# KiCad board cowboys_vs_dinos.kicad_pcb
title: Cowboys_vs_Dinos; date: 2024-05-06; rev: 2; company: Crafted by @alt_bier a.k.a. Richard Gowen and his Badge Team
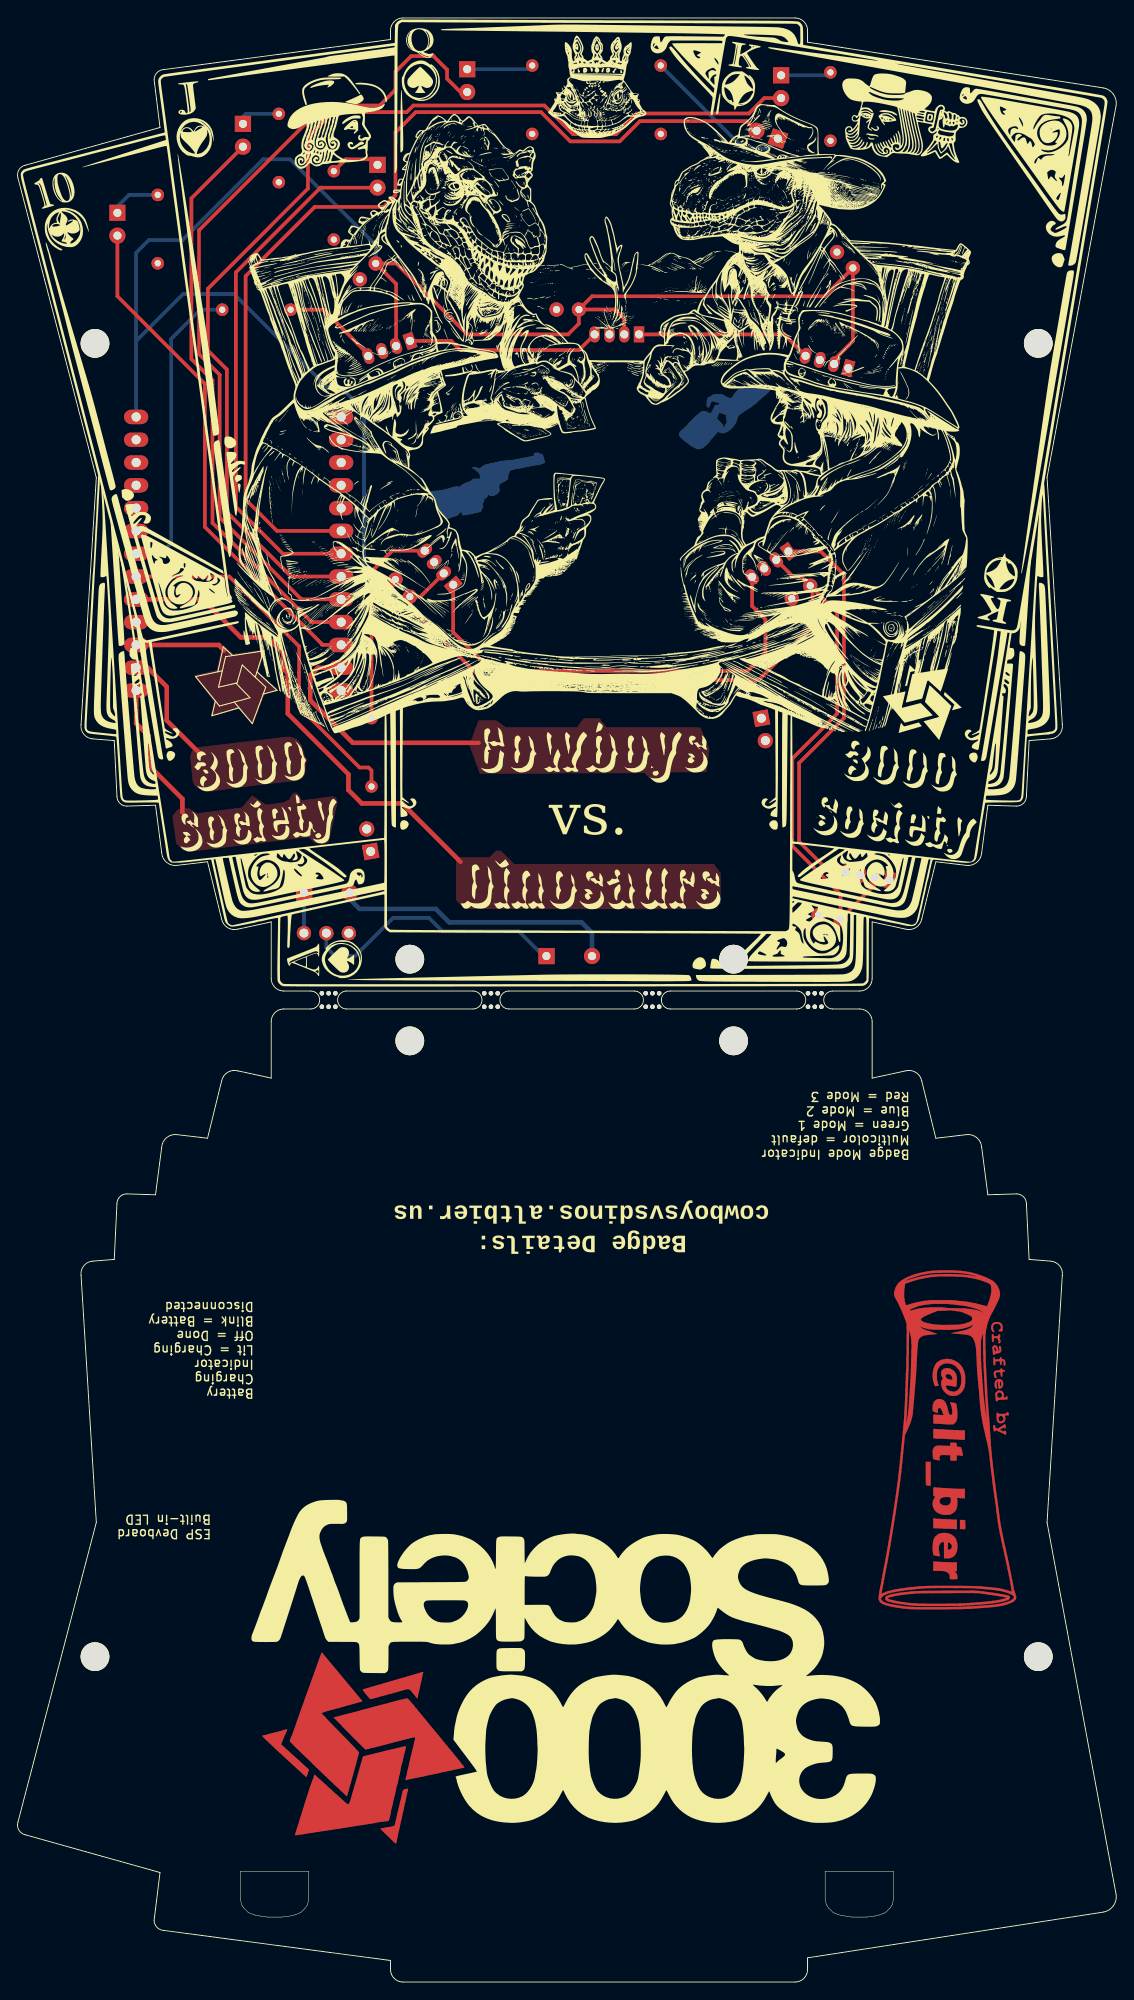
[diagram p0: board, top side]
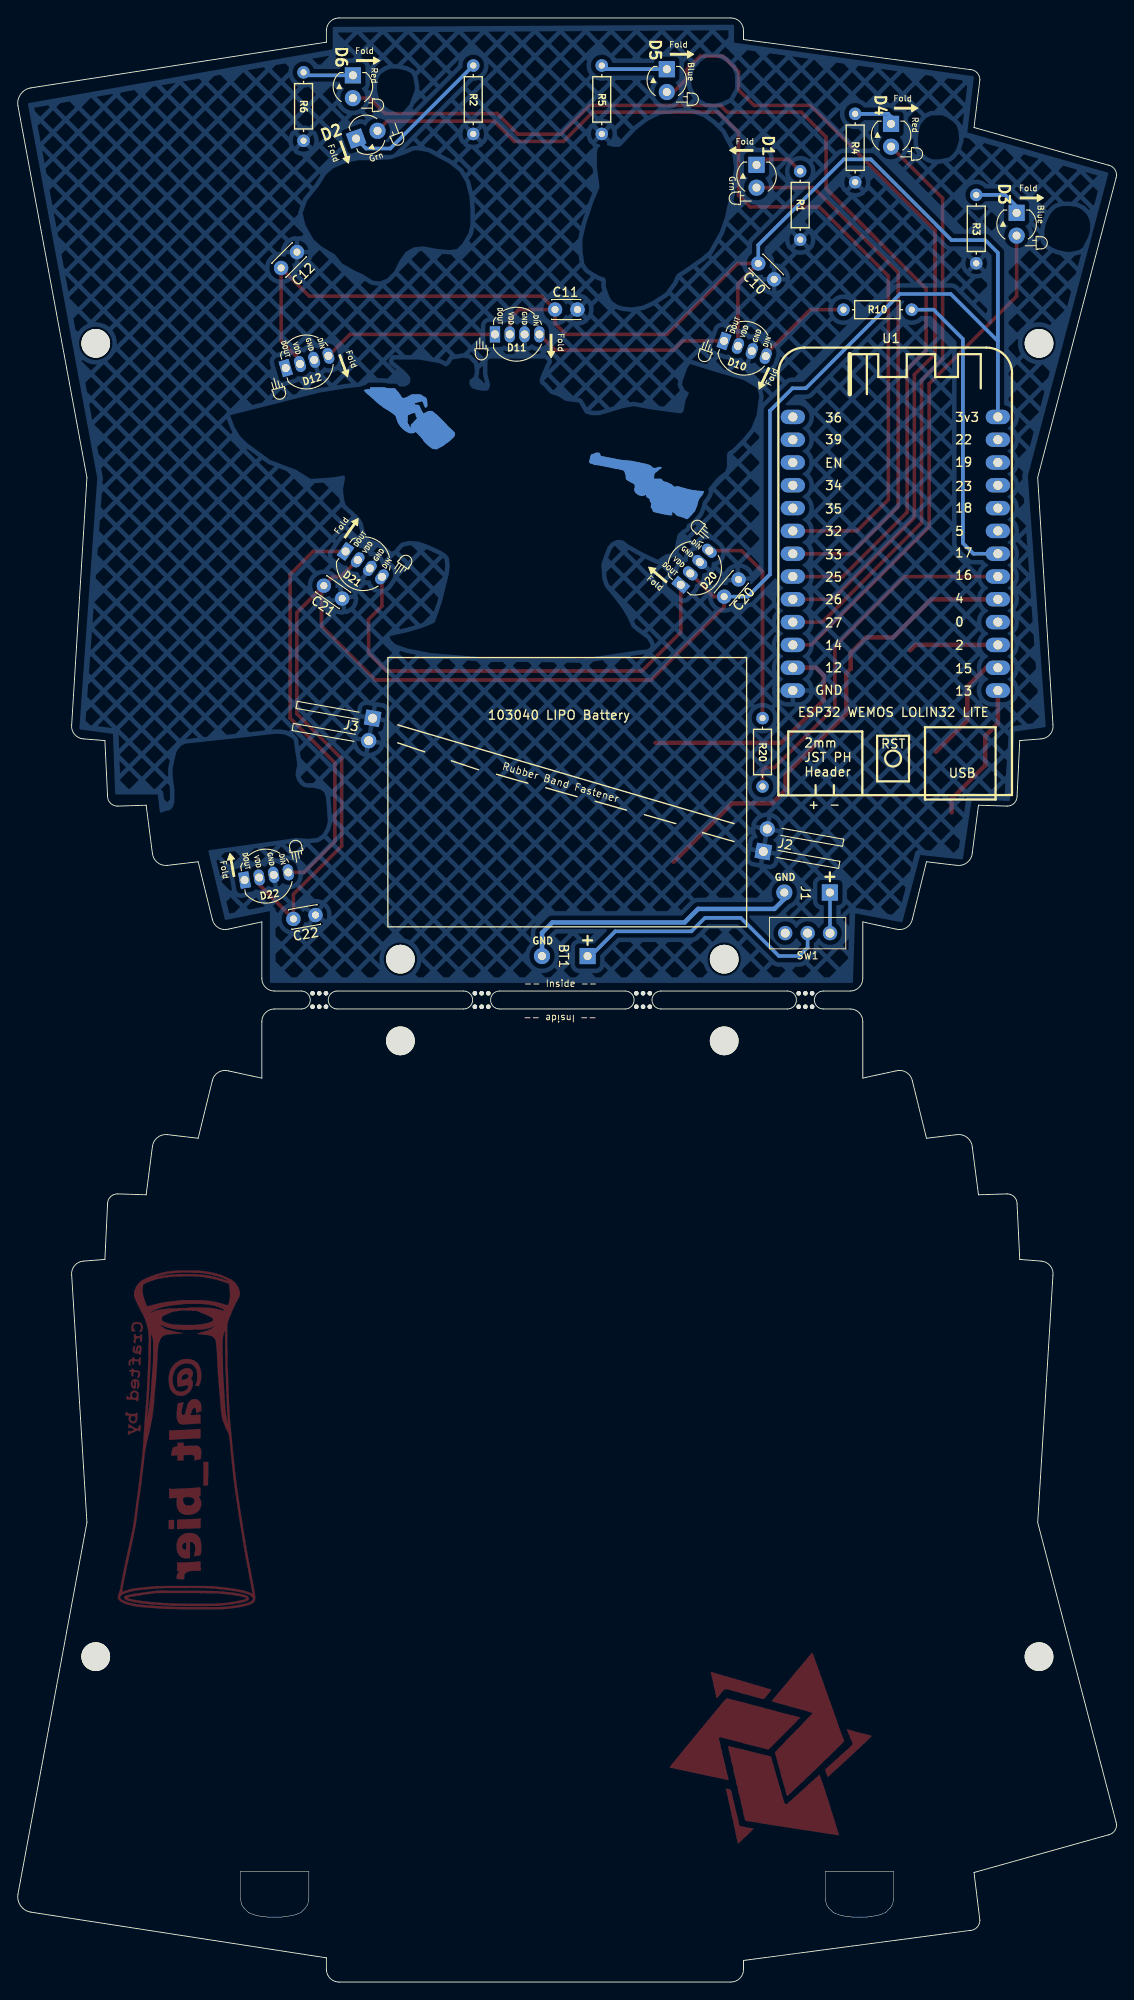
[diagram p1: board, bottom side, seen from below]

Outline 122.43 x 218.8 mm; copper layers: Top, Bottom. Coordinates in mm from the lower left corner of the outline.
Stack: Top 0.035mm / dielectric 1.51mm FR4 er 4.5 / Bottom 0.035mm

## Placement (name value [footprint] x y rotation side)
3KS_Logo  LOGO  [3000_society_logo_small_fmask]  24.09 144.55 0 top
3KS_Logo#2  LOGO  [3000_society_logo_small_fsilk]  100.59 142.55 0 top
3KS_Logo#3  LOGO  [3000_society_logo_large_01]  61.09 35.05 0 top
Altbier  LOGO  [logo-alt_bier-600dpi-15x38mm-copper-front]  103.67 60.37 180 top
Arms_Copper  arms_copper_01  [cowboys_vs_dinos_arms_copper]  61.19 109.35 0 top
BT1  Battery_Lipo  [Battery_Connector_back]  58.92 114.3 90 top
C10  C_Disc_D3  [C_Disc_D3_back]  39.89 191.45 225 top
C11  C_Disc_D3  [C_Disc_D3_back]  62.55 186.32 180 top
C12  C_Disc_D3  [C_Disc_D3_back]  93.09 190.95 135 top
C20  C_Disc_D3  [C_Disc_D3_back]  43.69 154.33 130 top
C21  C_Disc_D3  [C_Disc_D3_back]  88.33 155.55 215 top
C22  C_Disc_D3  [C_Disc_D3_back]  91.72 118.43 170 top
Cards_Bot  cards_bot_01  [cowboys_vs_dinos_cards_bot]  61.16 109.37 0 top
Cards_Top  cards_top_01  [cowboys_vs_dinos_cards_top]  61.19 109.36 0 top
D1  LED_3mm  [LED_D3.0mm-2-std_back]  40.09 202.44 270 top
D2  LED_3mm  [LED_D3.0mm-2-std_back]  84.73 205.36 160 top
D3  LED_3mm  [LED_D3.0mm-2-std_back]  11.09 197.09 270 top
D4  LED_3mm  [LED_D3.0mm-2-std_back]  25.09 207 270 top
D5  LED_3mm  [LED_D3.0mm-2-std_back]  50.09 213.09 270 top
D6  LED_3mm  [LED_D3.0mm-2-std_back]  85.09 212.41 270 top
D10  LED_WS2812D_5mm  [LED_D5.0mm-4_WS2812D_2024_back]  43.24 182.65 200 top
D11  LED_WS2812D_5mm  [LED_D5.0mm-4_WS2812D_2024_back]  68.75 183.55 180 top
D12  LED_WS2812D_5mm  [LED_D5.0mm-4_WS2812D_2024_back]  92.09 179.93 164 top
D20  LED_WS2812D_5mm  [LED_D5.0mm-4_WS2812D_2024_back]  48.21 156.04 130 top
D21  LED_WS2812D_5mm  [LED_D5.0mm-4_WS2812D_2024_back]  85.49 159.09 215 top
D22  LED_WS2812D_5mm  [LED_D5.0mm-4_WS2812D_2024_back]  96.67 122.85 170 top
Edge_Cuts  edge_cuts_01  [cowboys_vs_dinos_edgecuts]  61.74 165.4 0 top
F_Silk_Poker  f_silk_poker_01  [cowboys_vs_dinos_poker]  61.19 109.35 0 top
Fold  LED_Fold_Indicator_1  [LED_Fold_Indicator_back]  85.99 203.75 70 top
Fold#2  LED_Fold_Indicator_1  [LED_Fold_Indicator_back]  48.29 214.75 0 top
Fold#3  LED_Fold_Indicator_1  [LED_Fold_Indicator_back]  23.29 208.75 0 top
Fold#4  LED_Fold_Indicator_1  [LED_Fold_Indicator_back]  86.09 179.95 70 top
Fold#5  LED_Fold_Indicator_1  [LED_Fold_Indicator_back]  85.19 162.05 305 top
Fold#6  LED_Fold_Indicator_1  [LED_Fold_Indicator_back]  62.99 182.15 90 top
Fold#7  LED_Fold_Indicator_1  [LED_Fold_Indicator_back]  41.89 204.05 180 top
Fold#8  LED_Fold_Indicator_1  [LED_Fold_Indicator_back]  98.59 124.55 260 top
Fold#9  LED_Fold_Indicator_1  [LED_Fold_Indicator_back]  39.29 178.55 115 top
Fold#10  LED_Fold_Indicator_1  [LED_Fold_Indicator_back]  83.29 214.05 0 top
Fold#11  LED_Fold_Indicator_1  [LED_Fold_Indicator_back]  9.29 198.75 0 top
Fold#12  LED_Fold_Indicator_1  [LED_Fold_Indicator_back]  51.19 156.85 220 top
J1  Battery_Conn  [Battery_Connector_back]  31.91 121.38 90 top
J2  01x02  [Conn_Pin_Header_Male_Horiz_Back_1x02_Pitch2.54mm]  39.33 125.95 190 top
J3  01x02  [Conn_Pin_Header_Male_Horiz_Back_1x02_Pitch2.54mm]  82.89 140.79 10 top
Lanyard  -  [Lanyard_Hole]  28.59 10.05 180 top
Lanyard#2  -  [Lanyard_Hole]  93.79 10.05 180 top
R1  47R_6.3mm  [R_Axial_DIN0207_L6.3_D2.5_P7.62_Horiz_back]  35.22 201.73 270 top
R2  47R_6.3mm  [R_Axial_DIN0207_L6.3_D2.5_P7.62_Horiz_back]  71.67 213.5 270 top
R3  47R_6.3mm  [R_Axial_DIN0207_L6.3_D2.5_P7.62_Horiz_back]  15.59 199.09 270 top
R4  47R_6.3mm  [R_Axial_DIN0207_L6.3_D2.5_P7.62_Horiz_back]  29.09 208.12 270 top
R5  47R_6.3mm  [R_Axial_DIN0207_L6.3_D2.5_P7.62_Horiz_back]  57.34 213.5 270 top
R6  47R_6.3mm  [R_Axial_DIN0207_L6.3_D2.5_P7.62_Horiz_back]  90.59 212.74 270 top
R10  47R_6.3mm  [R_Axial_DIN0207_L6.3_D2.5_P7.62_Horiz_back]  30.4 186.3 180 top
R20  47R_6.3mm  [R_Axial_DIN0207_L6.3_D2.5_P7.62_Horiz_back]  39.42 140.8 270 top
REF**  -  [LED_2Pin_Indicator_back]  8.71 193.73 90 top
REF**#2  -  [LED_2Pin_Indicator_back]  47.61 209.73 90 top
REF**#3  3.2mm_M3  [MountingHole_3.2mm_M3]  8.59 182.55 0 top
REF**#4  -  [LED_4Pin_Indicator_back]  93.39 177.35 165 top
REF**#5  -  [LED_2Pin_Indicator_back]  82.71 209.05 90 top
REF**#6  3.2mm_M3  [MountingHole_3.2mm_M3]  113.76 36.25 0 top
REF**#7  3.2mm_M3  [MountingHole_3.2mm_M3]  8.59 36.25 0 top
REF**#8  -  [LED_2Pin_Indicator_back]  22.61 203.62 90 top
REF**#9  3.2mm_M3  [MountingHole_3.2mm_M3]  113.76 182.55 0 top
REF**#10  3.2mm_M3  [MountingHole_3.2mm_M3]  79.79 113.95 0 top
REF**#11  -  [Battery_LIPO_103040_silk_back]  61.19 132.55 270 top
REF**#12  -  [LED_2Pin_Indicator_Right_back]  42.09 198.75 270 top
REF**#13  -  [LED_4Pin_Indicator_back]  45.79 181.55 200 top
REF**#14  -  [LED_4Pin_Indicator_Right_back]  46.39 161.95 310 top
REF**#15  3.2mm_M3  [MountingHole_3.2mm_M3]  43.69 104.85 0 top
REF**#16  -  [LED_4Pin_Indicator_Right_back]  79.39 157.95 35 top
REF**#17  -  [LED_4Pin_Indicator_Right_back]  91.39 126.15 350 top
REF**#18  -  [LED_2Pin_Indicator_Right_back]  80.24 205.64 160 top
REF**#19  3.2mm_M3  [MountingHole_3.2mm_M3]  79.79 104.85 0 top
REF**#20  3.2mm_M3  [MountingHole_3.2mm_M3]  43.69 113.95 0 top
REF**#21  -  [LED_4Pin_Indicator_back]  70.79 181.75 180 top
Suits_B_Mask  suits_b_mask_01  [cowboys_vs_dinos_suits_bmask]  61.19 109.36 0 top
Suits_F_Mask  suits_f_mask_01  [cowboys_vs_dinos_suits_fmask]  61.17 109.35 0 top
SW1  SW_SPDT_SS12D00G  [SW_SPDT_Slide_SS12D00G-1P2T_3pin_back]  34.39 116.85 0 top
TableBack_B_Mask  tableback_b_mask_01  [cowboys_vs_dinos_tableback_mask]  61.19 109.35 0 top
TableTop_F_Mask  tabletop_f_mask_01  [cowboys_vs_dinos_tabletop_mask]  61.16 109.35 0 top
U1  ESP32-WEMOS-LOLIN32-LITE  [ESP32_WEMOS_LOLIN32_LITE_back]  24.45 157.83 0 top

## Library data of the parts
BT1 = -: Description: Multiple-cell battery
C10-C12 C20-C22 = -: Description: Unpolarized capacitor
D1-D6 = -: Description: Light emitting diode; Color: Blue
D10-D12 D20-D22 = -: Description: RGB LED with integrated controller, 5mm LED package
J1 = -: Description: Baterry Connector 01x02
J2 J3 = -: Description: Generic connector, single row, 01x02, script generated (kicad-library-utils/schlib/autogen/connector/)
R1-R6 R10 R20 = -: Description: Resistor
SW1 = -: Description: Switch, single pole double throw
U1 = -: Description: RF Module, ESP32-D0WDQ6 SoC, Wi-Fi 802.11b/g/n, Bluetooth, BLE, 32-bit, 2.7-3.6V, onboard antenna, Wemos, Lolin, Lolin32

## Footprints (pads in the part's own frame, mm; a bottom-side part is the same pattern mirrored in y, then rotated)
Battery_Connector_back
  rect 1.8x1.8 hole 0.9: 1(0,0)
  round 1.8 hole 0.9: 2(0,-5.08)
C_Disc_D3_back
  round 1.6 hole 0.8: 1(0,0) 2(2.5,0)
Conn_Pin_Header_Male_Horiz_Back_1x02_Pitch2.54mm
  rect 1.7x1.7 hole 1: 1(0,0)
  oval 1.7x1.7 hole 1: 2(0,-2.54)
cowboys_vs_dinos_edgecuts
  round 0.5 hole 0.5 unplated: (-27.85,-55.25) (-27.85,-56.75) (-27.1,-55.25) (-27.1,-56.75) (-26.35,-55.25) (-26.35,-56.75) (-9.75,-55.25) (-9.75,-56.75) (-9,-55.25) (-9,-56.75) (-8.25,-55.25) (-8.25,-56.75) (8.25,-55.25) (8.25,-56.75) (9,-55.25) (9,-56.75) (9.75,-55.25) (9.75,-56.75) (26.35,-55.25) (26.35,-56.75) (27.1,-55.25) (27.1,-56.75) (27.85,-55.25) (27.85,-56.75)
ESP32_WEMOS_LOLIN32_LITE_back
  oval 2.7x1.6 hole 1.02: 0(-11.274,-6.336) 2(-11.274,-8.876) 3V3(-11.274,16.524) 4(-11.274,-3.796) 5(-11.274,3.824) 12(11.586,-11.416) 13(-11.274,-13.956) 14(11.586,-8.876) 15(-11.274,-11.416) 16(-11.274,-1.256) 17(-11.274,1.284) 18(-11.274,6.364) 19(-11.274,11.444) 22(-11.274,13.984) 23(-11.274,8.904) 25(11.586,-1.256) 26(11.586,-3.796) 27(11.586,-6.336) 32(11.586,3.824) 33(11.586,1.284) 34(11.586,8.904) 35(11.586,6.364) 36(11.586,16.524) 39(11.586,13.984) EN(11.586,11.444) GND(11.586,-13.956)
LED_D3.0mm-2-std_back
  rect 1.8x1.8 hole 0.9: 1(0,0)
  round 1.8 hole 0.9: 2(2.54,0)
LED_D5.0mm-4_WS2812D_2024_back
  rect 1.15x1.8 hole 0.9: 1(-0.5,0)
  oval 1.15x1.8 hole 0.9: 2(1.15,0) 3(2.8,0) 4(4.45,0)
MountingHole_3.2mm_M3
  round 3.2 hole 3.2 unplated: (0,0)
R_Axial_DIN0207_L6.3_D2.5_P7.62_Horiz_back
  round 1.4 hole 0.7: 1(0,0) 2(7.62,0)
SW_SPDT_Slide_SS12D00G-1P2T_3pin_back
  round 1.6 hole 1: 1(-2.5,0) 2(0,0) 3(2.5,0)

## Nets
+3.3V: C10.1 C11.1 C12.1 C20.1 C21.1 C22.1 D10.2 D11.2 D12.2 D20.2 D21.2 D22.2 U1.3V3
GND: C10.2 C11.2 C12.2 C20.2 C21.2 C22.2 D10.3 D11.3 D12.3 D20.3 D21.3 D22.3 J2.1 J2.2 J3.1 J3.2 R1.2 R2.2 R3.2 R4.2 R5.2 R6.2 U1.GND
VBAT: J1.1 SW1.1
2: U1.2
4: U1.4
12: U1.12
13: U1.13
14: D3.2 U1.14
15: U1.15
16: R20.2 U1.16
17: R10.2 U1.17
25: D6.2 U1.25
26: D5.2 U1.26
27: D4.2 U1.27
32: D2.2 U1.32
33: D1.2 U1.33
D10: D10.1 D11.4
D11: D11.1 D12.4
D20: D20.1 D21.4
D21: D21.1 D22.4
GBAT: BT1.2 J1.2
Net-(BT1-Pin_1): BT1.1 SW1.2
Net-(D1-K): D1.1 R1.1
Net-(D2-K): D2.1 R2.1
Net-(D3-K): D3.1 R3.1
Net-(D4-K): D4.1 R4.1
Net-(D5-K): D5.1 R5.1
Net-(D6-K): D6.1 R6.1
Net-(D10-DIN): D10.4 R10.1
Net-(D20-DIN): D20.4 R20.1

Pads without a net: D12 1; D22 1; SW1 3; U1 0 5 18 19 22 23 34 35 36 39 EN

## Routing (per net, layer and track width the routed paths; a pad name or vN(x,y) marks a point on that pad's centre or on a via; arc(x,y) is an arc through that point)
+3.3V: length 317.2
  Top w0.4: C21.1 87.33,156.55 86.43,156.55 D21.2 ; C21.1 88.59,155.29 88.59,151.05 82.59,145.05 51.84,145.05 43.69,153.19 C20.1 44.88,154.33 D20.2 ; C21.1 91.34,152.54 91.34,141.3 86.34,136.3 86.34,126.55 91.72,121.17 C22.1 95.54,122.26 D22.2 ; C11.1 64.03,187.8 89.94,187.8 C12.1 93.09,182.8 90.99,180.7 D12.2 ; C11.1 62.55,184.76 61.34,183.55 50.09,183.55 42.19,191.45 C10.1 42.16,189.18 D10.2 ; C11.1 66.57,186.32 67.6,185.29 D11.2
  Bottom w0.4: C10.1 39.89,193.5 30.34,203.05 27.34,203.05 18.34,194.05 14.59,194.05 13.18,192.64 13.18,182.8 ; 13.18,182.8 13.18,174.36 ; 13.18,182.8 18.43,188.05 24.09,188.05 34.59,177.55 36.09,177.55 38.59,175.05 38.59,156.8 41.05,154.33 C20.1
VBAT: length 4.5
  Bottom w0.4: J1.1 31.89,121.36 SW1.1
2: length 10.1
  Top w0.5: U1.2 22.38,148.96 22.99,148.35
4: length 53
  Top w0.5: U1.4 20.6,154.04 24.84,149.8 27.84,149.8 29.59,148.05 29.59,146.3 30.09,145.8 30.09,141.3 36.84,134.55 36.84,132.8 38.34,131.3 42.84,131.3 49.34,124.8
12: length 27.3
  Top w0.5: 36.04,146.42 33.45,146.42 32.59,145.55 32.59,142.8 37.34,138.05 51.34,138.05
13: length 15.7
  Top w0.5: 18.34,130.3 18.34,131.8 14.59,135.55 14.59,138.8 13.18,140.21 U1.13
14: length 57.1
  Top w0.4: U1.14 33.98,148.96 20.84,162.1 20.84,178.05 11.09,187.8 D3.2
15: length 13
  Top w0.5: 13.18,146.42 14.47,146.42 16.59,144.3 16.59,140.55 20.09,137.05
16: length 41
  Top w0.4: R20.2 39.42,134.97 39.09,135.3 38.09,135.3 31.34,142.05 31.34,148.8 23.56,156.58 U1.16 13.15,156.55
17: length 34.2
  Bottom w0.4: R10.2 20.34,186.3 17.09,183.05 17.09,160.3 15.9,159.12 13.18,159.12
25: length 120.9
  Top w0.4: U1.25 30.46,156.58 23.29,163.75 23.29,179.65 21.19,181.75 21.19,188.65 32.34,199.8 32.34,205.55 35.09,208.3 43.34,208.3 44.09,209.05 58.69,209.05 61.89,205.85 66.69,205.85 68.99,208.15 81.49,208.15 83.21,209.87 D6.2
  Bottom w0.4: U1.25 35.31,156.58
26: length 91.6
  Top w0.4: U1.26 31.6,154.04 22.49,163.15 22.49,179.05 20.19,181.35 20.19,195.15 34.09,209.05 40.34,209.05 42.09,210.8 42.09,212.8 43.84,214.55 46.34,214.55 47.84,213.05 47.84,212.05 49.34,210.55 D5.2
27: length 64.2
  Top w0.4: 36.04,151.5 32.74,151.5 21.69,162.55 21.69,178.45 19.34,180.8 19.34,198.71 D4.2
32: length 108.3
  Top w0.4: D2.2 81.27,207.3 69.34,207.3 67.09,205.05 61.59,205.05 58.34,208.3 44.34,208.3 42.09,206.05 42.09,199.05 40.79,197.75 33.09,197.75 25.39,190.05 25.39,165.15 28.88,161.66 U1.32
33: length 59.7
  Top w0.4: 40.09,199.9 33.73,199.9 24.29,190.45 24.29,164.35 29.52,159.12 36.04,159.12
D10: length 21.7
  Top w0.4: D11.4 62.55,181.8 49.34,181.8 48.32,182.82 D10.1
D11: length 19.6
  Top w0.4: D11.1 85.43,183.55 D12.4
D20: length 51.8
  Top w0.4: D21.4 81.85,153.29 83.34,151.8 83.34,148.05 81.34,146.05 52.84,146.05 48.53,150.36 D20.1
D21: length 45.7
  Top w0.4: D22.4 90.52,123.62 87.09,127.05 87.09,135.8 92.09,140.8 92.09,156.8 89.51,159.38 D21.1
GBAT: length 31.9
  Bottom w0.5: J1.2 36.99,120.65 38.09,119.55 46.59,119.55 48.09,118.05 62.84,118.05 64,116.89 64,114.3
Net-(BT1-Pin_1): length 30.1
  Bottom w0.4: BT1.1 58.59,114.3 55.84,117.05 47.34,117.05 45.84,118.55 41.84,118.55 37.59,114.3 35.34,114.3 34.39,115.25 SW1.2
Net-(D1-K): length 5.7
  Top w0.4: R1.1 36.54,203.05 39.47,203.05 D1.1
Net-(D2-K): length 17.4
  Bottom w0.4: D2.1 83.62,204.25 80.92,204.25 R2.1
Net-(D3-K): length 5.7
  Bottom w0.4: R3.1 12.38,199.09 11.09,197.8 D3.1
Net-(D4-K): length 4.9
  Bottom w0.4: D4.1 25.09,207.8 25.41,208.12 R4.1
Net-(D5-K): length 7.4
  Bottom w0.4: D5.1 56.93,213.09 R5.1
Net-(D6-K): length 5.6
  Bottom w0.4: D6.1 90.26,212.41 R6.1
Net-(D10-DIN): length 10.9
  Top w0.4: D10.4 39.06,181.33 34.09,186.3 R10.1
Net-(D20-DIN): length 23.2
  Top w0.4: D20.4 41.74,159.45 39.42,157.13 R20.1

## Copper pours and planes (outline as drawn; the poured copper is in the pictures)
GND on Bottom: 94.34,119.3 99.34,118.3 101.34,126.55 106.09,125.8 106.84,132.3 111.59,132.3 111.84,139.05 115.59,139.55 113.59,167.55 121.34,209.3 87.34,215.3 87.34,217.8 42.59,218.05 42.59,216.05 15.84,212.3 16.59,206.05 0.84,201.55 9.84,167.8 7.84,139.8 11.34,139.3 11.84,131.55 16.09,131.8 17.09,125.05 21.84,125.55 23.84,118.05 29.09,119.05 29.34,111.3 94.34,111.3
2 on Top: 19.59,145.55 21.89,142.65 21.49,140.95 24.59,141.85 26.19,140.05 27.49,143.45 28.99,143.95 26.79,145.95 27.59,148.45 23.99,147.95 22.79,149.05 22.19,146.15
4 on Top: 49.34,125.3 48.84,124.8 48.84,120.55 49.75,119.54 77.58,119.52 78.34,120.19 78.34,123.55 77.59,124.55 55.34,124.55 53.84,126.05 53.34,126.05 52.59,125.3
12 on Top: 51.34,140.55 50.34,137.8 51.5,134.59 69.87,134.69 70.33,134.19 71.14,133.61 71.82,133.56 72.57,133.99 72.79,134.76 76.77,134.79 77.09,137.3 76.09,139.8 65.59,139.8 64.84,140.8 63.09,140.8 62.34,139.8 54.34,139.8 53.34,140.55
13 on Top: 18.99,125.89 18.3,126.17 17.66,126.81 17.22,129.87 17.77,130.62 19.04,130.78 19.98,130.2 24.97,130.85 26.11,132.21 27.64,131.16 29.61,131.41 30.23,131.71 30.66,132.47 31.05,132.51 31.41,132.12 31.62,131.63 35.01,132.09 35.45,131.97 35.63,131.44 34.67,127.04 33.93,126.72 33.03,126.93 32.39,127.55
15 on Top: 24.64,133.06 21.52,132.63 20.88,132.62 20.44,132.8 20.04,133.03 19.75,133.26 19.5,133.64 19.19,136.55 19.39,137.15 19.99,137.55 30.19,138.75 30.74,138.63 31.27,138.28 31.64,137.76 31.99,136.62 32.28,136.17 32.07,135.65 32.06,135 31.95,134.45 31.64,134.07 31.17,133.82 30.24,133.73 27.8,133.46

## Text on the board
B.Silkscreen: Blue | Red | Grn | -- Inside -- | Rubber Band Fastener
F.Fab: 122.5 mm | 218.8 mm | 108.4 mm | 2 mm
F.Mask: 3000 / Society | Cowboys / Dinosaurs
F.Silkscreen: ESP Devboard / Built-in LED | Battery / Charging / Indicator / Lit = Charging / Off = Done / Blink = Battery / Disconnected | Badge Mode Indicator / Multicolor = default / Green = Mode 1 / Blue = Mode 2 / Red = Mode 3 | Badge Details: / cowboysvsdinos.altbier.us | vs.
